# Altium PCB StEth32_V2.PcbDoc (part 2 of 2)
Units mm, origin at the board's own origin, x right, y up, seen from the top; angles counter-clockwise.
Board outline 75 x 50 mm, 2 copper layers (Top Layer, Bottom Layer), stack 1.571 mm thick; 111 components, 99 nets, 428 pads, 172 vias.
Unrouted connection lines stored in the file: 4.
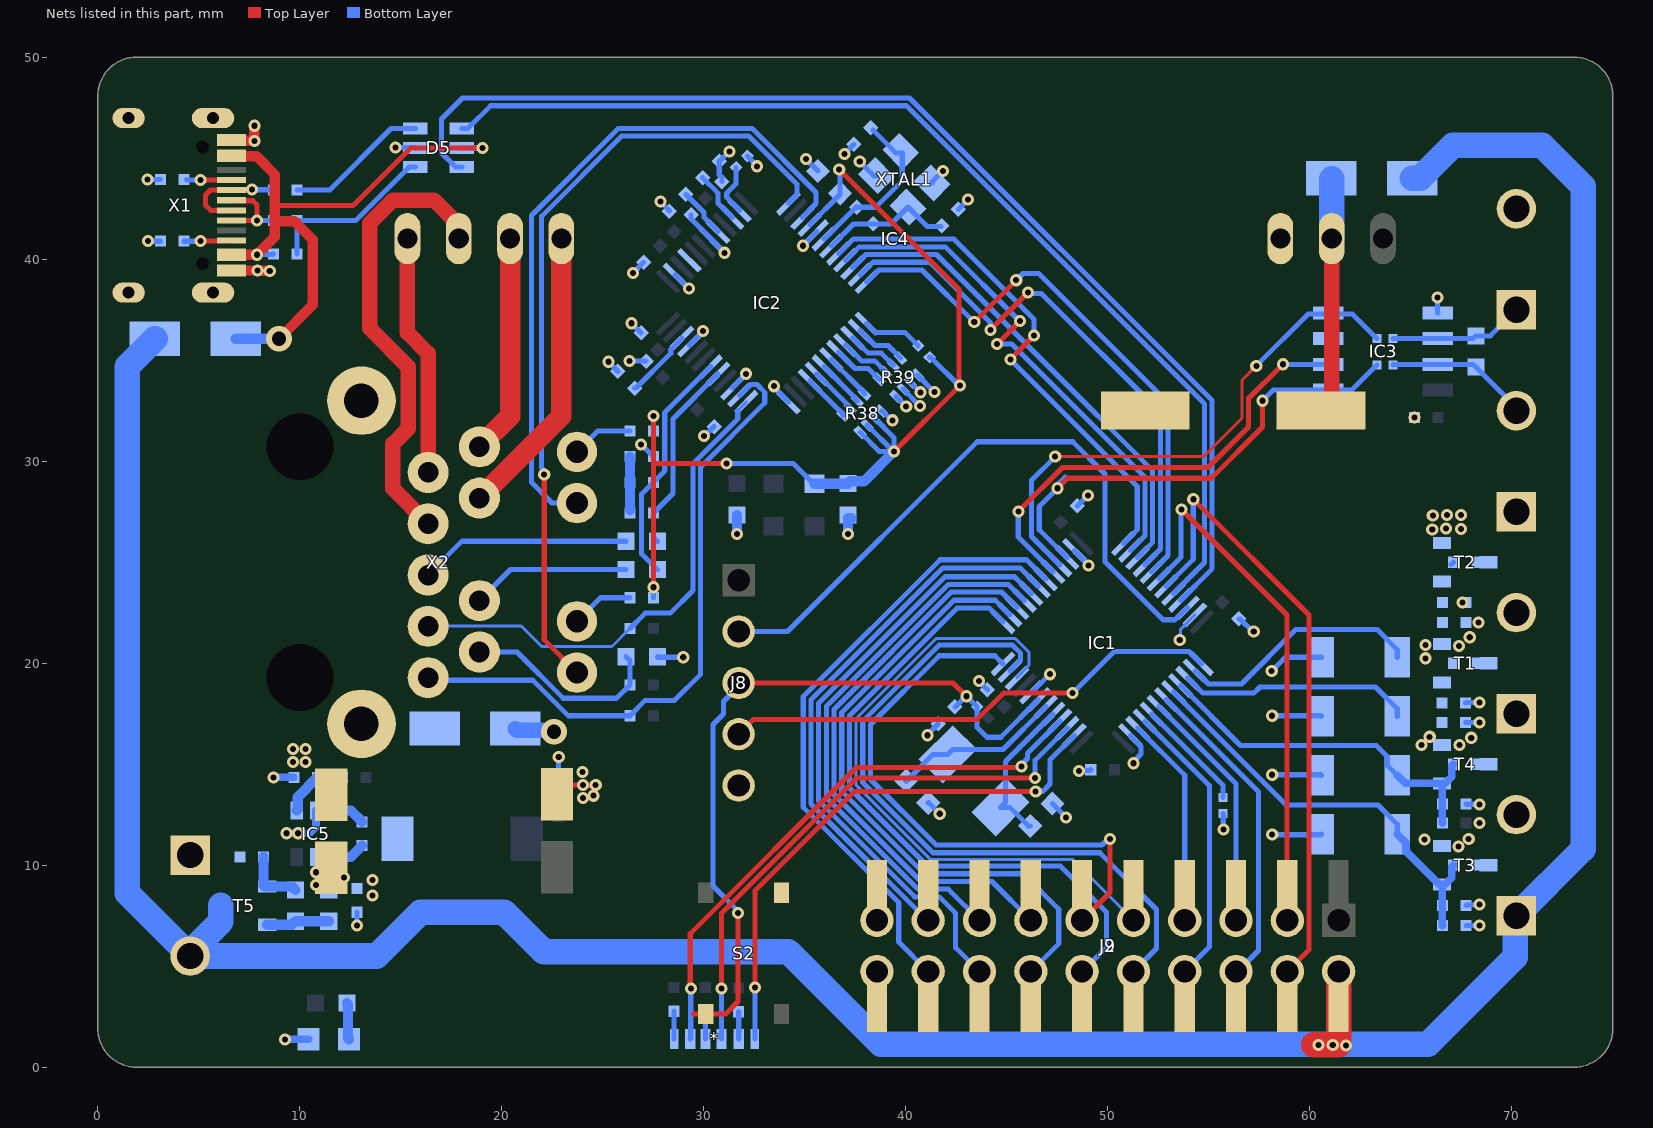
[diagram p2: the nets of this part, all layers, seen from the top]

## Via types
v1: diameter 0.6, hole 0.3, Top Layer to Bottom Layer, tented both sides, 166 vias
v2: diameter 3.2, hole 3.2, Top Layer to Bottom Layer, 3 vias
v3: diameter 1.27, hole 0.711, Top Layer to Bottom Layer, 2 vias
v4: diameter 1.27, hole 0.711, Top Layer to Bottom Layer, tented both sides, 1 vias

## Nets (pads, with @x,y where several pads share a name; then routed paths per layer and width w, separated by ;. In a path a pad name is that pad's centre, name@x,y a point inside that pad or via, vN(x,y) a via of type N, cw(c..) or ccw(c..) an arc to the next point about the centre after c; other vN are vias at no path point) (continued)
3,3VD: C4.1 C8.1 FB2.2 IC2.28 R26.2 R29.2 R33.2 R38.2 R38.3 R38.4 | length 51.9
  Top Layer w0.254: v1(27.508,23.761) 27.509,29.896 ; v1(27.509,32.233) 27.509,29.896 ; v1(31.115,29.896) 27.509,29.896 ; v1(36.703,44.45) 42.634,38.519 42.634,33.785 v1(42.675,33.743) 42.675,33.739 39.421,30.484 v1(39.421,30.48)
  Bottom Layer w0.254: R29.2@27.508,23.241 v1(27.508,23.761) ; R26.2@27.508,31.496 v1(27.509,32.233) ; v1(31.115,29.896) 34.418,29.896 35.431,28.883 FB2.2@35.481,28.883 ; IC2.28@35.248,41.708 36.743,43.202 C8.1@36.743,43.267 36.743,44.41 v1(36.703,44.45) ; R38.4@37.74,31.43 38.69,30.48 v1@39.345,30.48 ; R38.3@38.093,31.784 39.397,30.48 v1@39.409,30.48 ; R38.2@38.447,32.138 39.421,31.164 v1(39.421,30.48) ; R33.2@41.177,35.15 41.223,35.15 42.63,33.743 v1(42.675,33.743)
  Bottom Layer w0.508: FB2.2@35.481,28.883 35.486,28.888 37.13,28.888 37.247,29.005 37.934,29.005 39.409,30.48 v1(39.421,30.48)
12V: C12.1 D3.A IC4.6 | length 11.8
  Top Layer w0.762: C12.1@60.554,32.512 61.087,33.045 IC4.6@61.087,41.021
  Bottom Layer w0.762: D3.A@61.087,43.974 D3.A@61.182,44.069
  Bottom Layer w1.27: IC4.6@61.087,41.021 D3.A@61.087,43.974
GND: C1.1 C2.1 C3.2 C4.2 C5.1 C6.1 C8.2 C9.1 C10.1 C11.1 C12.2 C14.1 C15.1 C16.2 C17.2 C18.2 C19.1 C20.1 C21.1 C22.1 C24.1 C25.2 C26.2 C27.1 C28.1 C29.1 C30.2 C31.1 C32.1 C33.1 C34.1 D2.A D5.2 D6.1 D7.2 D8.2 D9.2 D10.2 IC1.8 IC1.23 IC1.35 IC1.47 IC2.3 IC2.9 IC2.14 IC2.16 IC2.19 IC2.29 IC2.48 IC3.5 IC4.5 IC5.5 J1.1 J2.19 J2.20 J6.2 J8.5 J9.19 J9.20 R7.1 R8.2 R12.1 R14.1 R16.1 R19.1 R20.1 R23.1 R24.1 R34.1 R35.1 R38.1 R39.1 R39.2 R39.3 R39.4 S2.1 T1.S T2.S T3.S T4.S X1.GND X2.15 XTAL1.2 XTAL1.4 | length 71.2
  Top Layer w0.254: C30.2@22.733,13.506 23.197,13.97 v1(24.013,13.97) ; v1@24.013,13.948 24.626,13.948 v1(24.648,13.97) ; v1@24.024,13.324 24.088,13.388 24.49,13.388 v1(24.542,13.441)
  Top Layer w0.508: X1.GND@6.619,39.447 v1(7.899,39.446) 7.912,39.433 8.496,39.433 v1(8.509,39.421) ; X1.GND@6.619,45.897 6.651,45.865 7.729,45.865 v1(7.747,45.847) v1(7.747,46.609)
  Bottom Layer w0.152: v1(53.564,21.154) 53.607,21.197 53.607,21.683 IC1.35@54.313,22.389
  Bottom Layer w0.254: v1(2.464,43.942) R8.2@3.099,43.942 ; v1(2.489,40.894) R12.1@3.099,40.894 ; v1(12.827,7.01) C11.1@12.827,7.671 ; v1(14.736,45.538) 14.747,45.528 15.705,45.528 D5.2@15.716,45.517 ; C14.1@22.809,13.589 22.813,13.593 22.813,15.345 v1(22.817,15.349) ; v1(25.273,34.925) R34.1@25.749,34.449 ; v1(26.321,34.957) C24.1@27.146,34.957 ; v1@26.416,36.831 C22.1@26.892,36.354 ; v1(26.492,39.319) C21.1@27.019,39.846 ; v1(26.886,30.831) 26.903,30.831 C15.1@27.508,30.226 ; C27.1@27.699,20.32 27.724,20.295 v1(28.981,20.295) ; v1(27.847,42.862) 27.847,42.845 28.289,42.403 C26.2@28.289,42.386 ; IC2.14@28.567,39.229 28.576,39.229 29.255,38.55 v1(29.264,38.55) ; IC2.9@29.285,35.745 29.285,35.754 29.965,36.433 v1(29.965,36.442) ; C20.1@29.369,42.196 29.369,42.001 30.351,41.019 30.351,41.001 v1(31.032,40.32) ; v1(30.017,31.242) 30.027,31.242 30.502,31.718 C31.1@30.512,31.718 ; C19.1@30.893,43.847 30.893,44.056 30.766,44.183 C18.2@30.766,44.863 30.784,44.863 31.26,45.339 v1(31.278,45.339) ; IC2.3@31.405,33.625 31.405,33.637 32.085,34.317 v1(32.085,34.328) ; R35.1@32.16,45.114 32.16,45.098 32.639,44.618 v1(32.639,44.602) ; v1(33.484,33.714) 33.484,33.647 34.189,32.943 IC2.48@34.189,32.925 ; v1(34.911,40.669) 34.911,40.678 35.59,41.357 IC2.29@35.59,41.366 ; v1(35.052,44.958) C8.2@35.647,44.363 ; v1(36.957,45.212) C17.2@37.433,45.688 ; v1(37.719,44.831) 38.413,44.137 XTAL1.2@38.549,44.137 ; R38.1@38.801,32.491 38.839,32.491 39.303,32.026 v1(39.342,32.026) ; R39.4@39.518,33.208 v1(40.021,32.706) ; R39.3@39.871,33.562 v1@40.705,32.727 ; R39.2@40.225,33.916 v1(40.728,33.413) ; R39.1@40.579,34.269 v1(41.414,33.434) ; v1(41.072,16.434) 41.072,16.459 41.599,16.986 C9.1@41.599,17.011 ; C29.1@41.112,13.092 41.137,13.092 v1(41.681,12.548) ; XTAL1.4@41.307,43.783 41.307,43.847 v1(41.833,44.373) ; C16.2@42.602,42.475 v1(43.078,42.951) ; v1(43.623,19.115) 43.623,19.103 44.037,18.688 C5.1@44.037,18.676 ; IC1.8@46.213,18.563 46.231,18.563 47.124,19.456 v1(47.142,19.456) ; C28.1@47.259,13.045 v1(47.934,12.37) ; IC1.23@48.35,25.586 48.35,25.568 49.036,24.882 v1(49.036,24.838) ; C2.1@48.495,27.794 48.503,27.794 49.011,28.303 v1(49.018,28.303) ; v1(48.569,14.664) 48.6,14.694 49.126,14.694 C6.1@49.156,14.725 ; IC1.47@51.116,16.426 51.116,16.408 51.649,15.876 51.649,15.508 51.281,15.14 v1(51.281,15.046) ; R7.1@55.702,12.554 55.715,12.541 55.715,11.773 v1(55.728,11.76) ; C1.1@56.496,22.193 56.547,22.193 57.175,21.565 v1(57.226,21.565) ; v1@58.064,11.506 60.558,11.506 D9.2@60.584,11.532 ; v1(58.115,19.609) 58.801,20.295 D8.2@60.584,20.295 ; v1(58.141,14.478) 60.558,14.478 D10.2@60.584,14.453 ; v1(58.141,17.399) 60.558,17.399 D7.2@60.584,17.374 ; v1(66.319,38.1) 66.319,37.358 IC3.5@66.339,37.338 ; v1(67.559,23) 67.729,23 R20.1@67.742,23.012 ; C32.1@67.716,17.069 v1(68.402,17.069) ; R19.1@67.716,18.034 67.729,18.047 68.389,18.047 v1(68.402,18.059) ; C34.1@67.742,7.01 v1(68.402,7.01) ; R23.1@67.742,8.001 67.767,8.026 68.377,8.026 v1(68.402,8.052) ; R24.1@67.742,13.03 67.754,13.018 68.313,13.018 v1@68.326,13.005 ; v1@68.271,12.09 v1(68.402,12.09)
  Bottom Layer w0.381: v1(8.687,14.351) R16.1@9.703,14.351 ; v1(9.265,1.378) D6.1@10.43,1.378 ; v1(9.347,11.582) 10.49,11.582 10.795,11.887 IC5.5@10.795,12.707
  Bottom Layer w0.508: v1(31.648,26.391) C3.2@31.648,27.343 ; v1(37.135,26.391) 37.135,27.172 C4.2@37.298,27.172
  Bottom Layer w0.762: D2.A@20.669,16.764 20.745,16.688 22.504,16.688 v4(22.581,16.612)
  other v1: 67.361,10.922 65.684,11.278 67.869,11.303 58.141,11.519 9.919,11.582 68.402,13.005 24.013,13.335 24.003,14.605 9.652,15.113 10.287,15.113 9.652,15.748 10.287,15.748 65.532,15.951 67.412,15.951 67.996,16.307 65.938,16.358 65.735,20.244 67.386,20.853 65.735,20.904 67.92,21.285 68.351,22.022 66.065,26.619 67.488,26.645 66.751,26.67 66.091,27.305 66.802,27.33 67.488,27.33 65.176,32.156 40.705,32.726 26.416,36.832
Net*_1: *.1 R1.1 | length 1.4
  Bottom Layer w0.254: R1.1@28.524,2.769 28.527,2.766 28.527,1.4 *.1@28.53,1.397
Net*_2: *.2 IC1.4 | length 28.1
  Top Layer w0.254: v1(29.372,3.886) 29.33,3.928 29.33,6.608 37.556,14.834 45.674,14.834 v1(45.72,14.88)
  Bottom Layer w0.254: *.2@29.33,1.397 29.351,1.418 29.351,3.865 v1(29.372,3.886) ; v1(45.72,14.88) 45.72,14.973 46.025,15.278 46.025,15.537 IC1.4@47.632,17.144
Net*_3: *.3 R5.1 | length 1.4
  Bottom Layer w0.254: R5.1@30.074,2.769 30.077,2.765 30.077,1.4 *.3@30.08,1.397
Net*_4: *.4 IC1.3 | length 27.6
  Top Layer w0.254: v1(30.88,3.886) 30.88,7.619 37.587,14.326 v1(46.406,14.326)
  Bottom Layer w0.254: *.4@30.88,1.397 v1(30.88,3.886) ; v1(46.406,14.326) 46.406,15.2 IC1.3@47.991,16.785
Net*_5: *.5 R13.1 | length 1.3
  Bottom Layer w0.254: R13.1@31.725,2.743 31.727,2.74 31.727,1.4 *.5@31.73,1.397
Net*_6: *.6 IC1.2 | length 27
  Top Layer w0.254: v1(32.53,3.944) 32.537,3.952 32.537,8.738 37.44,13.64 v1(46.431,13.64)
  Bottom Layer w0.254: *.6@32.53,1.397 v1(32.53,3.944) ; v1(46.431,13.64) 46.761,13.64 47.142,14.021 47.142,15.218 IC1.2@48.35,16.426
NetC7_1: C7.1 IC2.6 R30.2 | length 11.8
  Bottom Layer w0.254: C7.1@27.699,24.638 26.924,25.413 26.924,28.372 R30.2@27.508,28.956 28.052,29.5 28.052,29.525 28.067,29.54 28.067,32.407 IC2.6@30.345,34.685
NetC7_2: C7.2 X2.4 | length 7.9
  Bottom Layer w0.254: X2.4@18.89,23.095 20.433,24.638 C7.2@26.149,24.638
NetC9_2: C9.2 IC1.7 J8.3 R4.1 S2.2 | length 37.4
  Top Layer w0.254: 29.492,2.639 30.096,2.639 S2.2@30.099,2.636 31.084,2.636 31.699,3.251 v1(31.699,7.641) ; J8.3@31.725,19.025 42.342,19.025 v1(43.002,18.364)
  Bottom Layer w0.254: J8.3@31.725,19.025 31.725,18.867 30.968,18.111 30.968,17.481 30.455,16.967 30.455,8.966 v1@31.75,7.671 ; C9.2@42.45,17.837 42.977,18.364 v1(43.002,18.364) R4.1@43.532,17.834 43.532,17.38 43.526,17.374 43.526,16.825 44.018,16.332 44.7,16.332 IC1.7@46.572,18.204
NetC13_1: C13.1 IC5.6 | length 1.6
  Bottom Layer w0.508: IC5.6@11.745,12.707 12.515,12.707 C13.1@13.081,12.141
NetC13_2: C13.2 D2.K IC5.1 L1.1 | length 1.6
  Bottom Layer w0.508: IC5.1@11.745,10.407 12.515,10.407 C13.2@13.081,10.973
NetC15_2: C15.2 R30.1 R32.2 | length 2.7
  Bottom Layer w0.508: R32.2@26.34,27.559 R30.1@26.34,28.956 C15.2@26.34,30.226
NetC16_1: C16.1 IC2.31 R3.2 XTAL1.1 | length 6.6
  Bottom Layer w0.254: IC2.31@36.308,40.648 37.411,41.751 39.274,41.751 XTAL1.1@40.105,42.581 41.062,41.624 C16.1@41.751,41.624
NetC17_1: C17.1 IC2.30 R3.1 XTAL1.3 | length 8.3
  Bottom Layer w0.254: IC2.30@35.949,41.007 35.967,41.007 37.537,42.577 R3.1@37.56,42.577 38.513,42.577 39.822,43.886 39.822,45.268 39.505,45.268 C17.1@38.386,46.387
NetC18_1: C18.1 IC2.22 | length 2.6
  Bottom Layer w0.254: C18.1@29.94,44.037 30.71,43.267 30.71,42.762 IC2.22@31.405,42.067
NetC23_1: C23.1 IC2.5 R32.1 | length 9.7
  Bottom Layer w0.254: C23.1@27.699,26.035 27.508,26.226 R32.1@27.508,27.432 28.473,28.397 28.473,32.095 IC2.5@30.704,34.326
NetC23_2: C23.2 X2.5 | length 10.5
  Bottom Layer w0.254: X2.5@16.35,24.365 18.02,26.035 C23.2@26.149,26.035
NetC26_1: C26.1 IC2.20 | length 2.5
  Bottom Layer w0.254: C26.1@29.115,43.212 30.012,42.315 30.012,42.077 30.704,41.384 IC2.20@30.704,41.366
NetC27_2: C27.2 R27.1 X2.2 | length 10.1
  Bottom Layer w0.254: X2.2@18.89,20.555 20.747,20.555 23.039,18.263 25.679,18.263 R27.1@26.34,18.923 26.34,20.129 C27.2@26.149,20.32
NetC28_2: C28.2 IC1.5 XTAL2.1 | length 7.5
  Bottom Layer w0.254: C28.2@46.163,11.949 46.065,11.949 45.149,12.865 XTAL2.1@44.691,12.865 44.939,13.113 44.939,15.134 IC1.5@47.291,17.486
NetC29_2: C29.2 IC1.6 XTAL2.2 | length 8.5
  Bottom Layer w0.254: C29.2@40.006,14.149 41.339,15.481 XTAL2.2@42.075,15.481 42.323,15.729 44.815,15.729 IC1.6@46.931,17.845
NetC32_2: C32.2 D7.1 IC1.39 R17.1 R19.2 T1.G | length 11.6
  Bottom Layer w0.254: IC1.39@53.954,19.264 53.972,19.264 54.719,18.517 57.226,18.517 57.531,18.821 63.261,18.821 64.334,17.749 D7.1@64.334,17.374
NetC33_2: C33.2 D8.1 IC1.38 R18.1 R20.2 T2.G | length 12.4
  Bottom Layer w0.254: IC1.38@54.313,19.623 54.331,19.623 54.98,18.974 56.617,18.974 59.309,21.666 63.337,21.666 64.334,20.67 D8.1@64.334,20.295 ; R18.1@66.992,24.878 R18.1@67.114,25
NetC34_2: C34.2 D9.1 IC1.41 R21.1 R23.2 T3.G | length 21.1
  Bottom Layer w0.254: IC1.41@53.253,18.563 58.837,12.979 63.382,12.979 64.334,12.028 D9.1@64.334,11.532
  Bottom Layer w0.381: D9.1@64.334,11.532 64.768,11.097 64.768,10.68 66.398,9.05 T3.G@66.548,9.05 ; C34.2@66.573,7.01 66.561,7.023 66.561,9.037 T3.G@66.548,9.05 ; R21.1@67.114,10 67.029,9.916 67.029,9.381 66.698,9.05 T3.G@66.548,9.05
NetC35_2: C35.2 D10.1 IC1.40 R22.1 R24.2 T4.G | length 18.5
  Bottom Layer w0.254: IC1.40@53.595,18.904 56.573,15.926 63.297,15.926 63.836,15.387 63.836,14.951 D10.1@64.334,14.453 ; T4.G@66.548,14.05 T4.G@66.573,14.025
  Bottom Layer w0.381: D10.1@64.334,14.453 64.736,14.05 T4.G@66.548,14.05 66.698,14.05 67.029,14.381 67.029,14.915 R22.1@67.114,15 ; C35.2@66.573,12.09 66.561,12.103 66.561,13.03 66.561,14.012 T4.G@66.573,14.025
NetD4_1: D4.1 F1.2 T5.S | length 3.1
  Bottom Layer w0.508: T5.S@8.389,7.051 9.604,7.051 D4.1@9.779,7.226 F1.2@11.43,7.226
NetD4_2: D4.2 R14.2 T5.G | length 3.1
  Bottom Layer w0.508: R14.2@8.204,10.414 8.204,8.997 8.25,8.951 T5.G@8.389,8.951 9.604,8.951 D4.2@9.779,8.776
NetD5_1: D5.1 R6.1 R9.1 | length 8.6
  Bottom Layer w0.254: R6.1@9.855,40.259 R9.1@9.855,41.91 12.759,41.91 13.542,42.693 15.416,44.567 D5.1@15.716,44.567
NetD5_3: D5.3 R11.1 | length 7.1
  Bottom Layer w0.254: R11.1@9.855,43.434 11.481,43.434 14.514,46.467 D5.3@15.716,46.467
NetD5_4: D5.4 IC1.32 | length 53.4
  Bottom Layer w0.254: D5.4@18.016,46.467 18.316,46.467 19.448,47.6 40.03,47.6 54.788,32.842 54.788,24.983 IC1.32@53.253,23.448
NetD5_6: D5.6 IC1.33 | length 58.3
  Bottom Layer w0.254: D5.6@18.016,44.567 17.716,44.567 17.35,44.932 17.341,44.932 17.018,45.255 17.018,46.939 18.059,47.981 40.188,47.981 55.169,33 55.169,24.681 IC1.33@53.595,23.107
NetD6_2: D6.2 R31.1 | length 1.8
  Bottom Layer w0.508: R31.1@12.332,3.175 12.381,3.126 12.381,1.427 D6.2@12.43,1.378
NetIC1_10: IC1.10 J2.9 J9.9 | length 31.8
  Bottom Layer w0.152: IC1.10@45.512,19.264 45.512,19.308 46.101,19.896 46.101,20.543 45.419,21.225 41.504,21.225 37.541,17.262 37.541,13.955 41.209,10.287 48.253,10.287 J9.9@51.27,7.27
NetIC1_11: IC1.11 J2.10 J9.10 | length 34.4
  Bottom Layer w0.254: IC1.11@45.153,19.623 45.153,19.641 45.686,20.173 45.686,20.491 45.283,20.894 41.641,20.894 37.871,17.125 37.871,14.092 41.346,10.617 49.606,10.617 52.418,7.805 52.418,5.878 J9.10@51.27,4.73
NetIC1_12: IC1.12 J2.11 J9.11 | length 28.8
  Top Layer w0.254: J9.11@48.73,7.27 50.114,8.654 v1(50.114,11.303)
  Bottom Layer w0.254: IC1.12@44.812,19.964 44.405,20.371 41.656,20.371 38.252,16.967 38.252,14.249 41.504,10.998 49.716,10.998 50.021,11.303 v1(50.114,11.303)
NetIC1_13: IC1.13 J2.12 J9.12 | length 32.4
  Bottom Layer w0.254: IC1.13@44.812,22.048 44.127,22.733 42.545,22.733 37.211,17.399 37.211,13.818 41.072,9.957 47.65,9.957 49.936,7.671 49.936,5.936 J9.12@48.73,4.73
NetIC1_14: IC1.14 J2.14 J9.14 | length 31.7
  Bottom Layer w0.254: IC1.14@45.153,22.389 44.428,23.114 42.388,23.114 36.83,17.556 36.83,13.66 40.914,9.576 45.822,9.576 47.574,7.823 47.574,6.114 J9.14@46.19,4.73
NetIC1_15: IC1.15 J2.13 J9.13 | length 28.3
  Bottom Layer w0.254: IC1.15@45.512,22.748 44.74,23.52 42.255,23.52 36.449,17.714 36.449,13.502 40.757,9.195 44.265,9.195 J9.13@46.19,7.27
NetIC1_16: IC1.16 J2.15 J9.15 | length 27.3
  Bottom Layer w0.254: J9.15@43.65,7.27 42.106,8.814 40.599,8.814 36.068,13.345 36.068,17.872 42.097,23.901 45.077,23.901 IC1.16@45.872,23.107
NetIC1_17: IC1.17 J2.16 J9.16 | length 30.8
  Bottom Layer w0.254: J9.16@43.65,4.73 42.469,5.911 42.469,7.62 41.656,8.433 40.441,8.433 35.687,13.187 35.687,18.03 41.94,24.282 45.379,24.282 IC1.17@46.213,23.448
NetIC1_18: IC1.18 J2.17 J9.17 | length 27.7
  Bottom Layer w0.254: J9.17@41.11,7.27 41.065,7.27 35.306,13.029 35.306,18.188 41.833,24.714 45.666,24.714 IC1.18@46.572,23.808
NetIC1_19: IC1.19 J2.18 J9.18 | length 31.4
  Bottom Layer w0.254: J9.18@41.11,4.73 39.649,6.191 39.649,8.147 34.925,12.871 34.925,18.345 41.7,25.121 45.978,25.121 IC1.19@46.931,24.167
NetIC1_20: IC1.20 IC3.2 IC3.3 | length 24.2
  Top Layer w0.254: v1(45.572,27.508) 47.757,29.693 54.966,29.693 56.972,31.699 56.972,33.102 v1(58.673,34.802)
  Bottom Layer w0.254: v1(45.572,27.508) 45.568,27.503 45.568,26.249 IC1.20@47.291,24.526 ; v1(58.673,34.802) 58.678,34.798 IC3.2@60.915,34.798 IC3.3@60.915,36.068
NetIC1_21: IC1.21 IC3.4 R37.1 | length 26.9
  Top Layer w0.152: v1(47.396,30.226) 54.737,30.226 56.642,32.131 56.642,34.011 v1(57.353,34.722)
  Bottom Layer w0.254: v1(47.396,30.226) 46.228,29.058 46.228,26.271 IC1.21@47.632,24.867 ; v1(57.353,34.722) 59.92,37.289 62.108,37.289 R37.1@63.329,36.068
NetIC1_22: IC1.22 IC3.1 R36.1 | length 24.1
  Top Layer w0.254: v1(47.511,28.663) 48.007,29.159 55.118,29.159 57.658,31.699 v1(57.658,32.995)
  Bottom Layer w0.254: v1@47.422,28.753 47.873,29.204 ; v1(47.511,28.663) 46.609,27.761 46.609,26.609 IC1.22@47.991,25.227 ; v1(57.658,32.995) 58.191,33.528 62.084,33.528 R36.1@63.329,34.773
NetIC1_25: IC1.25 IC2.32 | length 26.1
  Top Layer w0.254: v1(45.174,35.04) v1(46.353,36.219)
  Bottom Layer w0.254: IC2.32@36.667,40.289 36.685,40.289 37.403,41.006 42.374,41.006 46.353,37.027 v1(46.353,36.219) ; v1(45.174,35.04) 51.46,28.754 51.46,26.612 IC1.25@50.775,25.927
NetIC1_26: IC1.26 IC2.33 | length 26
  Top Layer w0.254: v1(44.523,35.809) v1(45.656,36.941)
  Bottom Layer w0.254: IC2.33@37.009,39.947 37.026,39.947 37.694,40.615 41.956,40.615 45.629,36.941 v1(45.656,36.941) ; v1(44.523,35.809) 45.243,35.809 51.841,29.21 51.841,26.311 IC1.26@51.116,25.586
NetIC1_27: IC1.27 IC2.34 | length 24.2
  Bottom Layer w0.254: IC2.34@37.368,39.588 37.386,39.588 38.031,40.234 41.521,40.234 46.871,34.883 52.222,29.532 52.222,25.992 51.475,25.244 IC1.27@51.475,25.227
NetIC1_28: IC1.28 IC2.35 | length 27.8
  Top Layer w0.254: v1(44.196,36.5) 44.196,36.505 46.048,38.357 v1(46.048,38.362)
  Bottom Layer w0.254: IC2.35@37.727,39.229 37.745,39.229 38.369,39.853 41.204,39.853 44.196,36.86 v1(44.196,36.5) ; v1(46.048,38.362) 46.114,38.296 46.718,38.296 52.603,32.41 52.603,25.654 51.835,24.885 IC1.28@51.835,24.867
NetIC1_29: IC1.29 IC2.36 | length 28.6
  Top Layer w0.254: v1@43.389,36.885 v1(45.466,38.962)
  Bottom Layer w0.254: IC2.36@38.068,38.888 38.086,38.888 38.67,39.472 40.801,39.472 v1(43.389,36.884) ; v1(45.466,38.962) 45.797,39.294 46.584,39.294 52.984,32.893 52.984,25.335 IC1.29@52.176,24.526
NetIC1_30: IC1.30 J2.3 J9.3 | length 26.7
  Top Layer w0.254: v1(53.65,27.617) 58.877,22.389 58.877,7.283 J9.3@58.89,7.27 J2.3@58.704,7.456
  Bottom Layer w0.254: IC1.30@52.535,24.167 53.619,25.251 53.619,27.587 v1(53.65,27.617)
NetIC1_31: IC1.31 J2.4 J9.4 | length 31.1
  Top Layer w0.254: v1(54.234,28.118) 59.969,22.383 59.969,5.809 J9.4@58.89,4.73
  Bottom Layer w0.254: IC1.31@52.894,23.808 54.234,25.147 v1(54.234,28.118)
NetIC1_34: IC1.34 J8.2 | length 32.6
  Bottom Layer w0.254: J8.2@31.725,21.565 34.138,21.565 43.536,30.963 48.264,30.963 49.86,29.366 49.86,25.019 52.73,22.149 53.337,22.149 53.936,22.748 IC1.34@53.954,22.748
NetIC1_37: IC1.37 J8.4 | length 24.9
  Top Layer w0.254: J8.4@31.725,16.485 32.461,17.221 43.536,17.221 44.831,18.517 v1(48.26,18.517)
  Bottom Layer w0.254: v1(48.26,18.517) 50.317,20.574 54.027,20.574 54.636,19.964 IC1.37@54.654,19.964
NetIC1_42: IC1.42 J2.6 J9.6 | length 15.9
  Bottom Layer w0.254: IC1.42@52.894,18.204 57.465,13.633 57.465,5.776 56.419,4.73 J9.6@56.35,4.73
NetIC1_43: IC1.43 J2.5 J9.5 | length 12.2
  Bottom Layer w0.254: IC1.43@52.535,17.845 56.35,14.03 J9.5@56.35,7.27
NetIC1_44: IC1.44 R7.2 | length 5.6
  Bottom Layer w0.254: IC1.44@52.176,17.486 55.702,13.959 R7.2@55.702,13.354
NetIC1_45: IC1.45 J2.8 J9.8 | length 14.3
  Bottom Layer w0.254: IC1.45@51.835,17.144 55.042,13.937 55.042,5.962 J9.8@53.81,4.73
NetIC1_46: IC1.46 J2.7 J9.7 | length 10.5
  Bottom Layer w0.254: IC1.46@51.475,16.785 53.81,14.45 J9.7@53.81,7.27
NetIC2_1: IC2.1 R28.1 X2.3 | length 25.1
  Bottom Layer w0.152: X2.3@16.35,21.825 16.369,21.844 20.955,21.844 21.971,20.828 25.451,20.828 R28.1@26.34,21.717 ; IC2.1@31.683,32.503 IC2.1@32.105,32.925
  Bottom Layer w0.254: R28.1@26.34,21.717 27.102,22.479 28.342,22.479 29.464,23.601 29.464,29.876 31.683,32.095 IC2.1@31.683,32.503
NetIC2_2: IC2.2 R25.1 X2.1 | length 32
  Bottom Layer w0.254: X2.1@16.35,19.285 16.477,19.158 21.533,19.158 23.292,17.399 R25.1@26.34,17.399 27.102,18.161 28.55,18.161 29.845,19.456 29.845,29.718 33.02,32.893 33.02,33.411 32.633,33.798 32.314,33.798 31.782,33.266 IC2.2@31.764,33.266
NetIC2_10: IC2.10 R34.2 | length 3.5
  Bottom Layer w0.254: R34.2@26.575,33.623 26.638,33.623 28.361,35.346 28.361,35.521 28.926,36.086 IC2.10@28.926,36.104
NetIC2_23: IC2.23 R35.2 | length 2.6
  Bottom Layer w0.254: R35.2@31.594,44.548 31.594,43.735 31.139,43.28 31.139,43.069 31.764,42.444 IC2.23@31.764,42.426
NetIC2_25: IC2.25 X2.11 | length 40
  Top Layer w0.254: v1(22.098,29.337) 22.098,21.157 23.749,19.506 v3(23.749,19.431)
  Bottom Layer w0.254: v1(22.098,29.337) 22.032,29.403 22.032,29.598 21.971,29.659 21.971,42.133 25.939,46.101 32.227,46.101 34.611,43.717 34.611,43.207 34.189,42.785 IC2.25@34.189,42.767 ; X2.11@23.72,19.535 23.72,19.46 v3(23.749,19.431)
NetIC2_27: IC2.27 X2.13 | length 34.6
  Bottom Layer w0.254: X2.13@23.72,27.925 23.714,27.931 22.488,27.931 21.463,28.956 21.463,42.164 25.781,46.482 32.385,46.482 35.56,43.307 35.56,42.756 34.889,42.085 IC2.27@34.889,42.067
NetIC2_37: IC2.37 R33.1 | length 3
  Bottom Layer w0.254: IC2.37@38.068,36.804 38.49,36.382 39.945,36.382 R33.1@40.611,35.716
NetIC2_38: IC2.38 R39.8 | length 2.6
  Bottom Layer w0.254: IC2.38@37.727,36.463 37.745,36.463 38.476,35.732 39.116,35.732 R39.8@39.73,35.118
NetIC2_39: IC2.39 R39.7 | length 2.6
  Bottom Layer w0.254: IC2.39@37.368,36.104 37.386,36.104 38.138,35.351 38.789,35.351 R39.7@39.377,34.764
NetIC2_40: IC2.40 R39.6 | length 2.6
  Bottom Layer w0.254: IC2.40@37.009,35.745 37.026,35.745 37.801,34.97 38.463,34.97 R39.6@39.023,34.41
NetIC2_41: IC2.41 R39.5 | length 2.6
  Bottom Layer w0.254: IC2.41@36.667,35.403 37.482,34.589 38.137,34.589 R39.5@38.669,34.057
NetIC2_42: IC2.42 R38.8 | length 2.4
  Bottom Layer w0.254: IC2.42@36.308,35.044 36.308,35.026 37.952,33.382 R38.8@37.952,33.34
NetIC2_43: IC2.43 R38.7 | length 2.4
  Bottom Layer w0.254: IC2.43@35.949,34.685 37.475,33.159 37.475,33.11 R38.7@37.599,32.986
NetIC2_44: IC2.44 R38.6 | length 2.4
  Bottom Layer w0.254: IC2.44@35.59,34.326 37.121,32.794 37.121,32.756 R38.6@37.245,32.632
NetIC2_45: IC2.45 R38.5 | length 2.4
  Bottom Layer w0.254: IC2.45@35.248,33.984 35.248,33.967 36.891,32.323 R38.5@36.891,32.279
NetIC3_6: IC3.6 J6.1 R10.1 R37.2 | length 6.7
  Bottom Layer w0.254: R37.2@64.129,36.068 IC3.6@66.339,36.068 68.084,36.068 R10.1@68.224,36.208 68.939,36.208 J6.1@70.231,37.5
NetIC3_7: IC3.7 J5.2 R10.2 R36.2 | length 7.2
  Bottom Layer w0.254: R36.2@64.129,34.773 64.141,34.785 66.326,34.785 IC3.7@66.339,34.798 68.084,34.798 R10.2@68.224,34.658 70.231,32.651 J5.2@70.231,32.5
NetIC4_1: IC4.1 X2.8 | length 12
  Top Layer w0.762: IC4.1@15.327,41.021 15.327,36.362 16.35,35.339 X2.8@16.35,29.445
NetIC4_2: IC4.2 X2.7 | length 22.8
  Top Layer w0.762: X2.7@16.35,26.905 14.605,28.65 14.605,30.861 15.367,31.623 15.367,34.671 13.462,36.576 13.462,41.783 14.605,42.926 16.637,42.926 17.867,41.696 IC4.2@17.867,41.021
NetIC4_3: IC4.3 X2.10 | length 10.9
  Top Layer w1.016: X2.10@18.89,30.715 20.407,32.232 IC4.3@20.407,41.021
NetIC4_4: IC4.4 X2.9 | length 14.5
  Top Layer w1.016: X2.9@18.89,28.175 22.947,32.232 IC4.4@22.947,41.021
NetIC5_4: IC5.4 R15.2 R16.2 | length 3.3
  Bottom Layer w0.508: IC5.4@9.845,12.707 9.891,12.753 9.891,13.371 R16.2@10.871,14.351 R15.2@12.116,14.351
NetJ3_2: J3.2 R21.2 T3.D
NetJ4_1: J4.1 R22.2 T4.D
NetJ4_2: J4.2 R17.2 T1.D | length 0
NetJ5_1: J5.1 R18.2 T2.D
NetR8_1: R8.1 X1.CC1 | length 2.5
  Top Layer w0.254: v1(5.08,43.922) X1.CC1@6.619,43.922
  Bottom Layer w0.254: R8.1@4.394,43.942 4.404,43.932 5.07,43.932 v1(5.08,43.922) v1@5.354,43.922
NetR9_2: R9.2 X1.DP | length 4.2
  Top Layer w0.254: X1.DP@6.619,41.922 7.862,41.922 v1(7.874,41.91) 7.874,42.697 7.672,42.899 6.642,42.899 X1.DP@6.619,42.922
  Bottom Layer w0.254: v1(7.874,41.91) R9.2@8.687,41.91
NetR11_2: R11.2 X1.DN | length 5.4
  Top Layer w0.254: X1.DN@6.619,42.422 5.584,42.422 5.334,42.672 5.334,43.18 5.576,43.422 X1.DN@6.619,43.422 6.635,43.438 7.612,43.438 v1(7.628,43.453)
  Bottom Layer w0.254: v1(7.628,43.453) 7.637,43.443 8.677,43.443 R11.2@8.687,43.434
NetR12_2: R12.2 X1.CC2 | length 2.4
  Top Layer w0.254: v1(5.08,40.894) 5.094,40.908 6.605,40.908 X1.CC2@6.619,40.922 ; X1.CC2@6.607,40.915 6.609,40.913 X1.CC2@6.619,40.903
  Bottom Layer w0.254: R12.2@4.267,40.894 v1(5.08,40.894)
NetR26_1: R26.1 X2.14 | length 3
  Bottom Layer w0.254: X2.14@23.72,30.465 24.751,31.496 R26.1@26.34,31.496
NetR29_1: R29.1 X2.12 | length 3.1
  Bottom Layer w0.254: X2.12@23.72,22.075 24.886,23.241 R29.1@26.34,23.241
VBUS: D1.A D5.5 R6.2 X1.VBUS | length 31.5
  Top Layer w0.254: 8.763,42.654 12.635,42.654 15.498,45.517 v1(19.05,45.517)
  Top Layer w0.508: X1.VBUS@6.619,40.222 v1(7.874,40.222) 8.763,41.111 8.763,41.882 ; X1.VBUS@6.619,45.122 6.638,45.103 7.856,45.103 8.763,44.196 8.763,42.654 8.763,41.882 ; v3(8.966,36.068) 10.643,37.744 10.643,40.97 9.731,41.882 8.763,41.882
  Bottom Layer w0.254: v1(7.874,40.222) 7.892,40.24 8.668,40.24 R6.2@8.687,40.259 ; D5.5@18.016,45.517 v1(19.05,45.517)
  Bottom Layer w0.508: D1.A@6.826,36.068 v3(8.966,36.068)
Vcc: D1.K D3.K J1.2 J2.2 J3.1 J9.2 T5.D | length 161
  Top Layer w1.27: v1@60.198,1.118 61.443,1.118 61.443,4.717 J9.2@61.43,4.73
  Bottom Layer w1.27: D1.K@2.826,36.068 1.448,34.69 1.448,8.625 J1.2@4.572,5.501 ; T5.D@6.089,8.001 6.089,7.202 4.572,5.685 J1.2@4.572,5.501 ; J9.2@61.43,4.73 J9.2@61.493,4.667 ; D3.K@65.068,44.018 65.468,44.018 67.094,45.644 71.501,45.644 73.533,43.612 73.533,10.802 70.173,7.442 70.173,5.454 65.862,1.143 38.76,1.143 34.188,5.715 22.073,5.715 20.117,7.671 15.977,7.671 13.807,5.501 J1.2@4.572,5.501
  other v1: 61.798,1.067 60.427,1.092 61.138,1.092
Vcc_F1: C11.2 C25.1 F1.1 IC5.2
  other v1: 13.589,8.509 10.795,9.017 13.589,9.271 12.192,9.398 10.795,9.652
pads on no net: C35.+ IC1.1 IC2.7 IC2.12 IC2.13 IC2.18 IC2.24 IC2.26 IC2.46 IC2.47 IC4.7 IC5.3 S2.3 S2.4 X1.1 X1.SBU1 X1.SBU2 X2.0
copper on no net:
  other v2: 18,3.683 62,25 10.5,47.54

## Polygon pours and split planes (outlines as drawn)
GND on Top Layer "GND_L01_P000" (solid, pour order 0): 0,50 75,50 75,0 0,0

## Other copper
Top Layer:
  pour cut-out: 32.799,0.763 33.383,0.179 33.383,-0.227 27.668,-0.227 27.668,0.179 28.253,0.763
  region net 3,3V: 22.098,11.303 24.257,11.303 25.019,10.541 25.019,9.398 24.13,8.509 21.971,8.509 21.844,8.636 21.844,11.049
  region net GND: 9.398,16.129 11.049,16.129 12.446,14.732 12.446,12.319 12.192,12.065 10.414,12.065 9.271,13.208 9.271,16.002
  region net GND: 22.098,14.986 24.384,14.986 25.146,14.224 25.146,13.208 24.003,12.065 21.971,12.065 21.844,12.192 21.844,14.732
  region net Vcc_F1: 12.446,11.176 14.097,9.525 14.097,8.382 13.843,8.128 10.668,8.128 10.414,8.382 10.414,10.922 10.668,11.176
Bottom Layer:
  region net GND: 67.64,25.603 68.707,26.67 68.707,27.432 68.377,27.762 65.913,27.762 65.583,27.432 65.583,25.806 65.786,25.603
  region net GND: 65.659,21.336 65.354,21.031 65.354,19.863 65.43,19.787 65.735,19.787 66.497,20.549 67.666,20.549 68.402,21.285 68.402,21.488 68.301,21.59 67.412,21.59 67.158,21.336
  region net NetC33_2: 67.335,25.375 67.539,25.171 67.539,23.774 67.132,23.368 67.132,21.717 66.929,21.514 65.583,21.514 65.227,21.158 65.227,19.456 64.872,19.101 63.678,19.101 63.373,19.406 63.373,21.438 64.237,22.301 65.608,23.673 65.608,25.197 65.786,25.375
  region net NetC32_2: 63.754,16.205 64.77,16.205 65.354,16.789 66.98,16.789 67.132,16.942 67.132,19.05 67.539,19.456 67.539,20.193 67.335,20.396 66.548,20.396 64.719,18.567 63.906,18.567 63.525,18.186 63.525,16.434
  region net GND: 67.742,15.596 68.377,16.231 68.377,16.485 68.25,16.612 65.507,16.612 65.202,16.307 65.202,15.799 65.405,15.596
  region net NetJ5_1: 70.155,24.576 71.552,25.973 71.552,28.081 70.764,28.868 69.596,28.868 68.885,28.157 68.885,26.532 67.894,25.541 67.894,24.728 68.047,24.576
  region net NetJ4_2: 70.155,19.576 71.552,20.973 71.552,23.081 70.764,23.868 69.596,23.868 68.885,23.157 68.885,21.532 67.894,20.541 67.894,19.728 68.047,19.576
  region net NetJ4_1: 70.155,14.576 71.552,15.973 71.552,18.081 70.764,18.868 69.596,18.868 68.885,18.157 68.885,16.532 67.894,15.541 67.894,14.728 68.047,14.576
  region net NetC35_2: 63.754,13.31 64.694,13.31 65.405,12.598 65.405,11.963 65.557,11.811 67.081,11.811 67.234,11.963 67.234,13.665 67.539,13.97 67.539,15.291 67.361,15.469 63.729,15.469 63.551,15.291 63.551,13.538
  region net GND: 65.786,10.592 65.354,11.024 65.354,11.481 65.557,11.684 68.097,11.684 68.224,11.557 68.224,11.1 67.716,10.592
  region net NetJ3_2: 70.155,9.576 71.552,10.973 71.552,13.081 70.764,13.868 69.596,13.868 68.885,13.157 68.885,11.532 67.894,10.541 67.894,9.728 68.047,9.576
  region net NetC34_2: 63.703,12.349 63.703,10.185 65.507,8.382 65.507,6.909 65.786,6.629 66.878,6.629 67.158,6.909 67.158,9.22 67.513,9.576 67.513,10.262 67.31,10.465 65.634,10.465 65.227,10.871 65.227,12.421 65.024,12.624 63.978,12.624 63.797,12.443
  region net 3,3V: 20.574,12.573 24.13,12.573 25.019,11.684 25.019,8.636 24.13,7.747 22.352,7.747 21.844,8.255 21.844,9.652 21.59,9.906 20.574,9.906 20.193,10.287 20.193,12.192
  region net NetC13_2: 11.557,11.43 13.208,11.43 13.843,12.065 13.843,14.478 15.24,15.875 15.24,17.653 15.494,17.907 17.907,17.907 18.161,17.653 18.161,15.875 15.748,13.462 15.748,10.16 15.494,9.906 12.065,9.906 11.43,9.906 11.303,10.033 11.303,11.176
  region net Vcc_F1: 10.541,10.922 11.049,10.922 11.176,10.795 11.176,9.906 11.493,9.588 11.303,9.779 13.843,9.779 14.097,9.525 14.097,8.382 13.843,8.128 10.668,8.128 10.414,8.382 10.414,10.795

## Silkscreen, mask and mechanical layers (free items; w line width, h text height)
Top Overlay:
  circle w0.254: c18,3.683 r3.2
  circle w0.254: c10.5,47.54 r3.2
  circle w0.254: c62,25 r3.2
Top Solder:
  region: 32.82,0.784 33.404,0.2 33.404,-0.206 27.689,-0.206 27.689,0.2 28.273,0.784
Bottom Solder:
  region: 32.817,0.787 33.401,0.203 33.401,-0.203 27.686,-0.203 27.686,0.203 28.27,0.787
Mechanical 1:
  the board outline again, w0.381

## Text inside footprints (layer, text, board x,y; h text height)
J2: Top Overlay "1" at 62.66,10 h1.02 r180; Top Overlay "2" at 62.96,3 h1.02 r180; Top Overlay "19" at 37.64,10 h1.02 r180; Top Overlay "20" at 37.64,3 h1.02 r180
J8: Top Overlay "1" at 33.425,24.225 h1.02 r270; Top Overlay "5" at 33.425,14.325 h1.02 r270
J9: Top Overlay "20" at 36.84,5.1 h1.02 r180; Top Overlay "19" at 36.84,7.8 h1.02 r180; Top Overlay "1" at 63.56,7.8 h1.02 r180; Top Overlay "2" at 63.86,5.1 h1.02 r180